# KiCad board lpddr5-sodimm.kicad_pcb (continued)
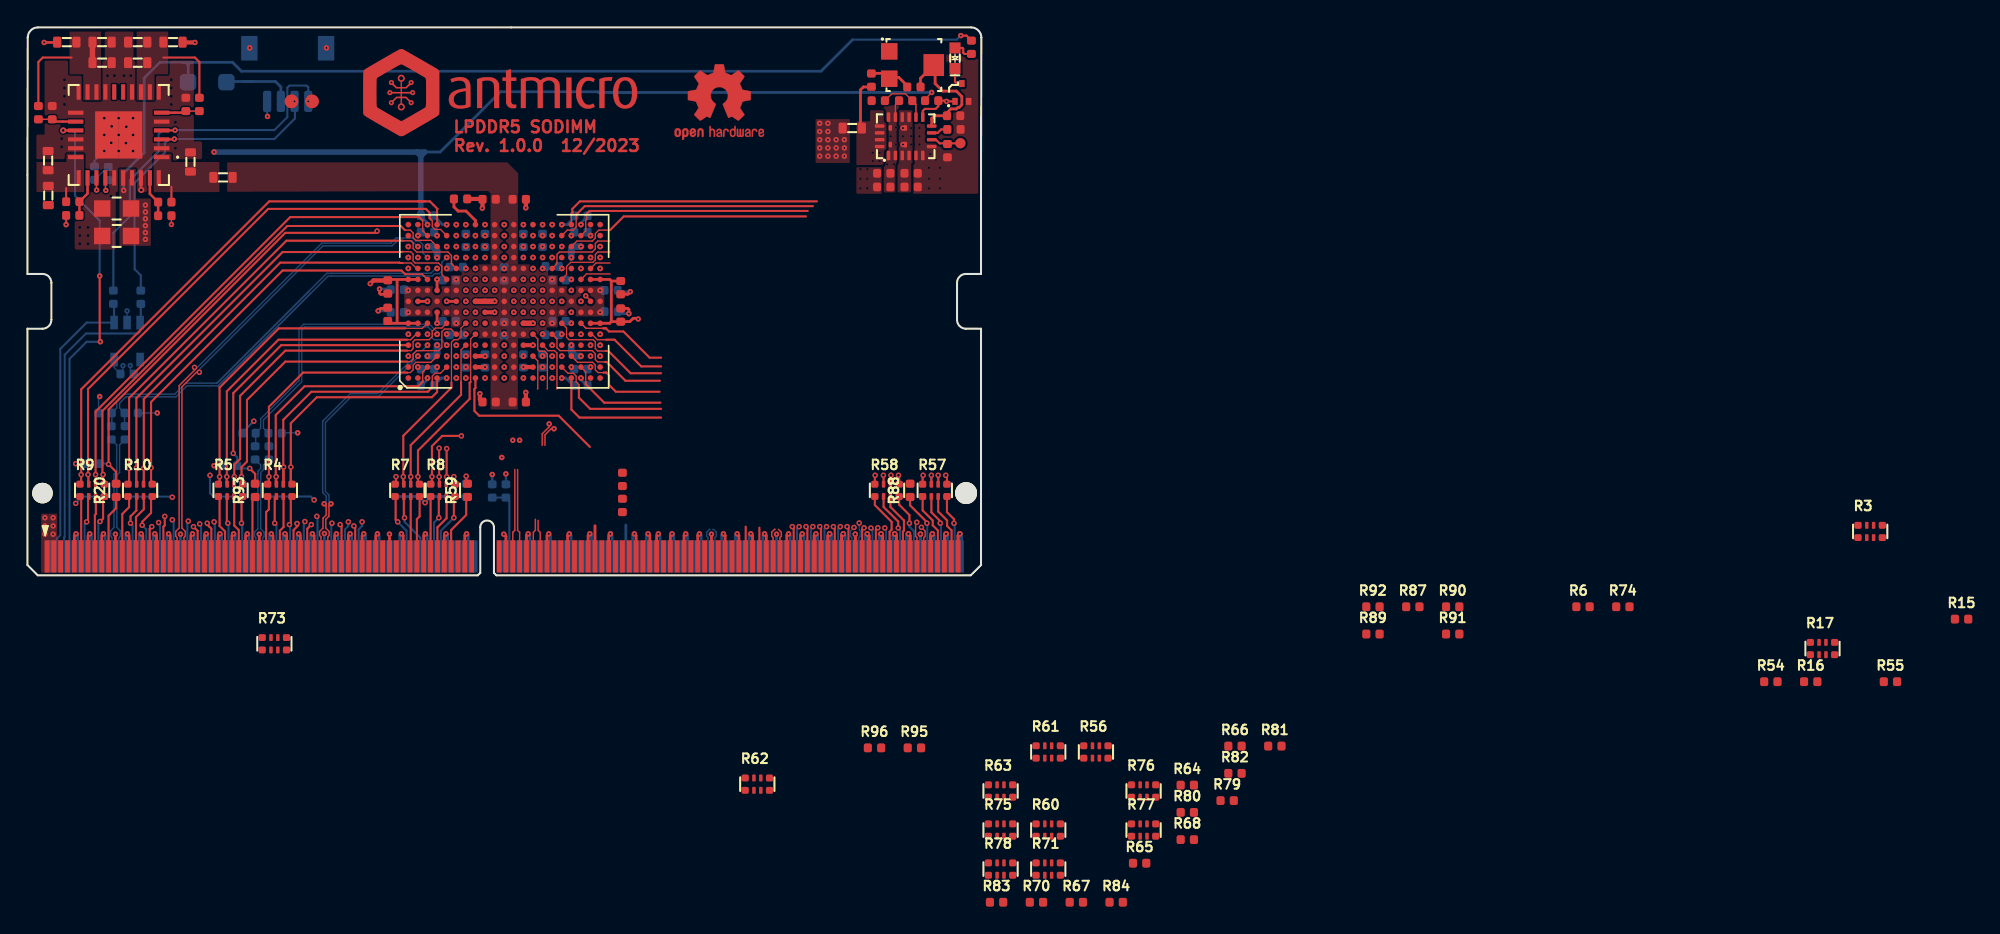
[diagram p0: board, top side]
## Routing (per net, layer and track width the routed paths; a pad name or vN(x,y) marks a point on that pad's centre or on a via; arc(x,y) is an arc through that point) (continued)
/LPDDR5/LPDDR5_A.CA0: length 12.4
  Top w0.09: 31.62,14.1 31.65,14.12 31.65,16.45 U1.G4
  Top w0.15: 31.65,14.12 31.65,13.17 27.98,9.5 v3(27.98,7.2) R7.6 ; 27.95,6.67 27.97,6.65
  Bottom w0.15: 27.98,6.65 v3(27.98,7.2)
/LPDDR5/LPDDR5_A.CA1: length 13.3
  Top w0.09: 32.7,17.55 U1.H5 32.35,17.25 32.35,14.12 32.33,14.1
  Top w0.15: 32.35,14.12 32.28,14.05 32.28,12.88 28.5,9.11 v3(28.5,7.2) 28.5,6.65
  Bottom w0.15: 28.5,6.65 v3(28.5,7.2)
/LPDDR5/LPDDR5_A.CA2: length 16.1
  Top w0.15: 29.52,6.65 29.53,6.65 v3(29.53,7.2) 29.53,9.42 30.28,10.17 v3(31.68,10.17)
  In3.Cu w0.09: v1(32,20) 31.68,19.67 31.68,13.8
  In3.Cu w0.15: 31.68,14.17 v3(31.68,10.17)
  Bottom w0.15: 29.53,6.65 v3(29.53,7.2)
/LPDDR5/LPDDR5_A.CA3: length 18.2
  Top w0.15: 30.06,6.65 v3(30.06,7.2) 30.05,7.2 v3(30.05,9.28) ; 30.03,6.68 30.05,6.65
  In3.Cu w0.09: 30.25,12.57 30.28,12.55 ; v1(32.7,22.4) 32.35,22.05 31.08,22.05 30.28,21.25 30.28,18.45 30.25,18.43 30.25,14.19
  In3.Cu w0.15: 30.25,14.19 30.25,9.48 v3(30.05,9.28)
  Bottom w0.15: 30.06,6.65 v3(30.06,7.2)
/LPDDR5/LPDDR5_A.CA4: length 16.1
  Top w0.15: v3(30.6,9.25) 30.6,9.25 v3(30.6,7.2) 30.6,6.65 ; 30.58,6.67 30.59,6.65
  In3.Cu w0.09: 30.98,14.19 30.98,20.58 v1(32,21.6)
  In3.Cu w0.15: v3(30.6,9.25) 30.98,9.63 30.98,14.19 30.97,14.19
  Bottom w0.15: 30.6,6.65 v3(30.6,7.2)
/LPDDR5/LPDDR5_A.CA5: length 21.3
  Top w0.15: 31.13,6.65 v3(31.13,7.2) 31.15,7.22
  In3.Cu w0.09: v1(32.7,24) 32.36,23.66 32.36,23.03 32.12,22.8 29.81,22.8 29.53,22.51 29.53,16.96 29.58,16.91 29.58,14.2
  In3.Cu w0.15: 29.58,14.2 29.58,9.1 31.13,7.55 v3(31.13,7.2)
  Bottom w0.15: 31.13,6.65 v3(31.13,7.2)
/LPDDR5/LPDDR5_A.CA6: length 25.1
  Top w0.15: R86.1 v3(32.03,7.23) 32,7.26
  In3.Cu w0.09: v1(32,23.2) 31.66,23.55 29.05,23.55 28.86,23.35 28.86,14.18
  In3.Cu w0.15: 28.86,14.18 28.95,14.08 28.95,8.38 ; 28.95,8.38 28.95,6.95 29.43,6.47 31.75,6.47 32.03,6.75 v3(32.03,7.23) ; 28.95,8.38 28.95,8.62
  Bottom w0.15: R86.1 v3(32.03,7.23)
/LPDDR5/LPDDR5_A.CK_N: length 12.5
  In3.Cu w0.1: v1(35.93,9.86) 35.78,10.01 35.78,11.49 32.97,14.29 32.97,16.16 33.38,16.56 33.38,20.09 33.15,20.32 33.15,20.55 v1(33.4,20.8)
/LPDDR5/LPDDR5_A.CK_P: length 12.5
  In3.Cu w0.1: v1(32.7,20.8) 32.95,20.55 32.95,20.23 33.18,20.01 33.18,16.64 32.78,16.24 32.78,14.21 35.58,11.41 35.58,10.01 v1(35.43,9.86)
/LPDDR5/LPDDR5_A.CS0: length 20.8
  Top w0.15: v3(26.9,7.2) 26.9,6.65 26.9,6.65
  In3.Cu w0.09: 32.32,14.18 32.32,18.82 v1(32.7,19.2)
  In3.Cu w0.15: 32.32,14.18 32.33,14.17 32.33,13.2 32.68,12.85 32.68,6.4 32.33,6.05 27.65,6.05 26.9,6.8 v3(26.9,7.2)
  Bottom w0.15: 26.9,6.65 v3(26.9,7.2)
/LPDDR5/LPDDR5_A.CS1: length 14.4
  Top w0.09: U1.G6 31.65,18.05 31.65,17.42 31.43,17.2 31.14,17.2 30.95,17.01 30.95,14.08
  Top w0.15: 27.43,6.65 v3(27.43,7.2) 27.43,10.18 30.95,13.7 30.95,14.08 ; 27.4,6.68 27.43,6.65
  Bottom w0.15: 27.43,6.65 v3(27.43,7.2)
/LPDDR5/LPDDR5_A.DMI0: length 34.4
  Top w0.15: U1.A4 18.53,16.8 15.03,13.3 v3(15.03,8.9) ; R93.2 16.62,7.4 v3(16.23,7.8)
  In3.Cu w0.15: v3(16.23,7.8) 16.23,6.4 16.73,5.9 22.23,5.9 22.62,5.5 22.62,4.2 v3(22.23,3.8)
  Bottom w0.15: v3(16.23,7.8) 15.51,7.8 R94.1 15.31,8.61 v3(15.03,8.9) ; v3(22.23,3.8) 22.18,3.75 J1.84
/LPDDR5/LPDDR5_A.DMI1: length 45.2
  Top w0.15: v3(25.53,25.13) 25.4,25 18.83,25 5.93,12.1 v3(5.93,8.1) 6.48,7.55 R20.2
  In3.Cu w0.15: v3(5.93,8.1) 5.93,6.9 6.6,6.22 9.4,6.22 11.68,3.95 v3(11.74,3.95) ; v1(27.8,23.2) 27.45,23.2 v3(25.53,25.13)
  Bottom w0.15: J1.42 11.68,3.88 v3(11.74,3.95) ; R85.1 5.88,8.15 v3(5.93,8.1)
/LPDDR5/LPDDR5_A.DQ0: length 30.7
  Top w0.15: v3(19.23,7.9) 19.23,6.65 ; 19.23,6.65 19.23,11.1 21.12,13 29.53,13 29.9,13.38 U1.D1
  In3.Cu w0.15: v3(19.23,7.9) 19.23,7.6 19.43,7.4 23.43,7.4 24.43,6.4 v3(24.43,3.9)
  Bottom w0.15: J1.92 24.18,3.35 24.43,3.6 v3(24.43,3.9) ; 19.23,6.65 v3(19.23,7.9)
/LPDDR5/LPDDR5_A.DQ1: length 30.3
  Top w0.09: 28.85,14.85 U1.C2 28.85,14.85 ; 28.85,14.85 28.85,14.2
  Top w0.15: 18.15,6.65 18.12,6.68 18.12,11.7 20.23,13.8 28.53,13.8 28.85,14.12 28.85,14.2 ; v3(18.16,7.2) 18.16,6.65
  In3.Cu w0.15: v3(18.16,7.2) 18.16,6.87 18.43,6.6 22.93,6.6 23.43,6.1 v3(23.43,3.9)
  Bottom w0.15: 18.16,6.65 v3(18.16,7.2) ; v3(23.43,3.9) 23.43,3.6 23.18,3.35 J1.88
/LPDDR5/LPDDR5_A.DQ2: length 32.4
  Top w0.09: 29.55,14.15 29.55,14.54 29.76,14.75 30.15,14.75 30.6,15.2
  Top w0.15: v3(23.83,3.6) 23.93,3.5 J1.91 ; v3(18.7,7.9) 18.7,6.65 ; 29.55,14.15 29.55,13.72 29.22,13.4 20.73,13.4 18.68,11.35 18.68,6.67 18.7,6.65
  In3.Cu w0.15: v3(23.83,3.6) 23.93,3.7 23.93,6.2 23.12,7 18.93,7 18.7,7.23 v3(18.7,7.9)
  Bottom w0.15: 18.7,6.65 v3(18.7,7.9)
/LPDDR5/LPDDR5_A.DQ3: length 31.4
  Top w0.09: U1.D3 29.45,15.55 28.36,15.55 28.15,15.34 28.15,15 27.95,14.8 27.73,14.8
  Top w0.15: v3(22.83,3.7) 22.93,3.6 J1.87 ; v3(17.62,7.2) 17.62,6.65 ; 17.62,6.65 17.62,6.65 ; 17.62,6.65 17.62,12.3 20.12,14.8 27.73,14.8
  In3.Cu w0.15: v3(22.83,3.7) 22.93,3.8 22.93,5.7 22.43,6.2 18.12,6.2 17.62,6.7 v3(17.62,7.2)
  Bottom w0.15: 17.62,6.65 v3(17.62,7.2)
/LPDDR5/LPDDR5_A.DQ4: length 34.7
  Top w0.09: U1.B5 28.38,17.6 27.98,17.2 26.83,17.2
  Top w0.15: 27.73,17.2 18.33,17.2 14.56,13.43 14.56,6.65 ; v3(14.56,7.2) 14.56,6.65
  In3.Cu w0.15: v3(20.25,3.92) 20.25,4.07 19.62,4.7 16.23,4.7 14.56,6.37 v3(14.56,7.2)
  Bottom w0.15: J1.76 20.18,3.85 v3(20.25,3.92) ; 14.56,6.65 v3(14.56,7.2)
/LPDDR5/LPDDR5_A.DQ5: length 35
  Top w0.09: 27.58,18.03 28.83,18.03 U1.C6
  Top w0.15: 27.58,18.03 18.35,18.03 14.03,13.7 v3(14.03,7.2) 14.03,6.65 ; J1.73 19.43,3.3 19.73,3.6 19.73,3.73 v3(19.68,3.78)
  In3.Cu w0.15: v3(19.68,3.78) 19.62,3.83 19.62,4.1 19.43,4.3 16.03,4.3 14.03,6.3 v3(14.03,7.2)
  Bottom w0.15: 14.03,6.65 v3(14.03,7.2)
/LPDDR5/LPDDR5_A.DQ6: length 35.8
  Top w0.09: 27.73,16.4 28,16.4 28.15,16.55 28.15,17.05 28.3,17.2 29.33,17.2 29.55,17.42 29.55,17.83 29.78,18.05 30.25,18.05 30.6,18.4
  Top w0.15: v3(15.1,7.2) 15.1,6.65 ; 27.73,16.4 18.83,16.4 15.53,13.1 15.53,8.5 15.1,8.07 15.1,6.65 ; v3(20.73,3.7) 20.43,3.4 J1.77
  In3.Cu w0.15: v3(15.1,7.2) 15.1,6.43 16.43,5.1 19.93,5.1 20.62,4.4 20.62,3.8 v3(20.73,3.7)
  Bottom w0.15: 15.1,6.65 v3(15.1,7.2)
/LPDDR5/LPDDR5_A.DQ7: length 35.6
  Top w0.09: 27.73,15.6 28,15.6 28.15,15.75 28.15,16.14 28.41,16.4 30.03,16.4 30.25,16.62 30.25,17.78 30.45,17.98 30.92,17.98 U1.F5
  Top w0.15: 15.63,6.65 v3(15.63,7.2) 15.63,7.9 16.03,8.3 16.03,12.8 18.83,15.6 27.33,15.6 ; 27.73,15.6 27.35,15.6
  In3.Cu w0.15: v3(21.12,4.3) 21.12,4.6 20.23,5.5 16.62,5.5 15.63,6.5 v3(15.63,7.2)
  Bottom w0.15: J1.80 21.18,4.25 v3(21.12,4.3) ; 15.63,6.65 v3(15.63,7.2)
/LPDDR5/LPDDR5_A.DQ8: length 51.6
  Top w0.15: 28.53,27.3 17.65,27.3 3.93,13.58 v3(3.93,7.35) 3.92,7.35 3.92,6.65 ; 28.53,27.3 29.38,27.3 29.93,26.75 29.9,26.72 U1.D15 ; 28.53,27.3 29.05,27.3 ; J1.31 8.93,3.4 v3(9.08,3.55)
  In3.Cu w0.15: v3(3.93,7.35) 3.93,5 4.25,4.67 7.95,4.67 v3(9.08,3.55)
  Bottom w0.15: v3(3.93,7.35) 3.92,7.35 3.92,6.65
/LPDDR5/LPDDR5_A.DQ9: length 47.3
  Top w0.09: 28.85,25.9 28.85,25.15 U1.C14
  Top w0.15: J1.35 9.93,3.55 10.03,3.65 v3(10.03,4.3) ; 28.85,25.9 28.6,26.15 19.18,26.15 4.98,11.94 v3(4.98,7.35) 5,7.33 5,6.65
  In3.Cu w0.15: 9.98,4.4 8.93,5.45 5.18,5.45 4.98,5.65 v3(4.98,7.35)
  Bottom w0.15: v3(4.98,7.35) 5,7.33 5,6.65
/LPDDR5/LPDDR5_A.DQ10: length 51.1
  Top w0.09: 30.6,24.8 30.15,25.25 29.76,25.25 29.55,25.46 29.55,25.88 29.45,25.97 ; 29.35,26.22 29.35,26.08
  Top w0.15: 29.35,26.33 29.35,26.08 29.45,25.97 ; 29.35,26.33 29.35,26.47 29.08,26.75 17.58,26.75 4.43,13.6 v3(4.43,7.35) 4.45,7.32 4.45,6.65 ; 29.35,26.33 29.35,26.22
  In3.Cu w0.15: v3(4.43,7.35) 4.43,5.4 4.78,5.05 8.38,5.05 v3(9.58,3.85)
  Bottom w0.15: J1.34 9.68,3.75 v3(9.58,3.85) ; 4.45,6.65 4.45,7.32 v3(4.43,7.35)
/LPDDR5/LPDDR5_A.DQ11: length 47.2
  Top w0.09: 27.55,25.2 27.95,25.2 28.15,25 28.15,24.66 28.36,24.45 29.45,24.45 U1.D13
  Top w0.15: 27.55,25.2 27.25,25.5 18.97,25.5 5.48,12 5.48,7.4 v3(5.53,7.35) 5.53,6.65
  In3.Cu w0.15: v3(10.58,4.05) 10.58,4.65 10.53,4.65 9.33,5.85 5.73,5.85 5.53,6.05 v3(5.53,7.35)
  Bottom w0.15: 5.53,6.65 v3(5.53,7.35) ; J1.38 10.68,3.95 v3(10.58,4.05)
/LPDDR5/LPDDR5_A.DQ12: length 41.8
  Top w0.09: 27.38,22.8 28,22.8 28.4,22.4 U1.B11
  Top w0.15: 27.38,22.8 27.18,22.8 27.15,22.83 18.45,22.83 8.5,12.87 v3(8.5,7.82) 8.5,6.65 ; J1.49 13.43,3.4 13.12,3.7 v3(13.12,3.8)
  In3.Cu w0.15: v3(13.12,3.8) 13.12,5.6 11.38,7.35 8.68,7.35 8.5,7.53 v3(8.5,7.82)
  Bottom w0.15: 8.5,6.65 v3(8.5,7.82)
/LPDDR5/LPDDR5_A.DQ13: length 43.3
  Top w0.09: 28.83,21.97 27.58,21.97 28.83,21.97 ; 28.83,21.97 U1.C10 28.83,21.97
  Top w0.15: 27.58,21.97 27.3,22.25 18.62,22.25 9.03,12.65 v3(9.03,7.85) 9.03,6.65
  In3.Cu w0.15: v3(9.03,7.85) 9.18,7.7 11.68,7.7 13.62,5.75 v3(13.62,3.9)
  Bottom w0.15: v3(13.62,3.9) 13.68,3.85 J1.50 ; 9.03,6.65 v3(9.03,7.85)
/LPDDR5/LPDDR5_A.DQ14: length 46.2
  Top w0.09: 27.38,23.62 27.98,23.62 28.15,23.45 28.15,22.95 28.3,22.8 30,22.8 30.25,22.55 30.25,21.95 30.6,21.6
  Top w0.15: 7.95,6.65 v3(7.95,7.83) 7.95,12.93 18.62,23.6 27.35,23.6 27.38,23.62
  In3.Cu w0.15: v3(12.58,3.75) 12.68,3.85 12.68,5.4 11.08,7 8.18,7 7.95,7.22 v3(7.95,7.83)
  Bottom w0.15: J1.46 12.68,3.65 v3(12.58,3.75) ; 7.95,6.65 v3(7.95,7.83)
/LPDDR5/LPDDR5_A.DQ15: length 48.6
  Top w0.09: 30.95,22.75 U1.F11 30.95,22.75 ; 30.95,22.75 30.95,23.34 ; 30.95,22.75 30.95,23.34 ; 30.95,23.34 30.69,23.6 28.41,23.6 28.15,23.86 28.15,24.25 27.98,24.42 27.43,24.42
  Top w0.15: 27.43,24.42 18.9,24.42 7.42,12.95 v3(7.42,7.8) 7.42,6.65 ; J1.45 12.43,3.24 v3(12.12,3.55)
  In3.Cu w0.15: v3(7.42,7.8) 7.42,7 7.83,6.6 10.38,6.6 12.12,4.86 v3(12.12,3.55)
  Bottom w0.15: 7.42,6.65 v3(7.42,7.8)
/LPDDR5/LPDDR5_A.RDQS0_N: length 20.5
  Top w0.102: v1(21.66,5.22) 21.81,5.07 21.81,4.4 21.57,4.17 21.57,3.44 21.32,3.2 21.32,2.9 21.43,2.8 J1.81
  Bottom w0.1: v1(29.2,16.8) 28.8,16.4 28.4,16.4 28.2,16.2 28.2,16.19 28.15,16.14 28.15,15.86 25.56,13.27 23.57,13.27 21.58,11.28
  Bottom w0.102: 21.58,11.28 21.55,11.25 21.55,6.03 21.81,5.78 21.81,5.37 v1(21.66,5.22)
/LPDDR5/LPDDR5_A.RDQS0_P: length 19
  Top w0.102: v1(22.16,5.22) 22.01,5.07 22.01,4.31 21.78,4.08 21.78,3.44 22.03,3.2 22.03,2.9 21.93,2.8 J1.83
  Bottom w0.1: v1(28.5,16) 28.5,15.92 25.65,13.07 23.67,13.07 21.78,11.17
  Bottom w0.102: 21.78,11.17 21.75,11.15 21.75,6.12 22.01,5.86 22.01,5.37 v1(22.16,5.22)
/LPDDR5/LPDDR5_A.RDQS1_N: length 36.3
  Top w0.102: v3(12.2,15.18) 12.2,14.97 11.07,13.84 11.07,3.45 10.82,3.2 10.82,2.85 10.93,2.75 J1.39
  Bottom w0.1: v1(29.2,23.2) 28.85,23.55 28.85,24.15 28.6,24.4 28.37,24.4 28.14,24.63 27.87,24.63
  Bottom w0.102: 27.87,24.63 26.91,24.63 26.53,24.25 21.48,24.25 12.41,15.18 v3(12.2,15.18)
/LPDDR5/LPDDR5_A.RDQS1_P: length 34.5
  Top w0.102: J1.41 11.43,2.75 11.53,2.85 11.53,3.2 11.28,3.45 11.28,13.76 12.34,14.82 v3(12.55,14.82)
  Bottom w0.1: v1(28.5,24) 28.48,24 28.06,24.42 27.87,24.42
  Bottom w0.102: 27.87,24.42 26.99,24.42 26.62,24.05 21.57,24.05 12.55,15.03 v3(12.55,14.82)
/LPDDR5/LPDDR5_A.WCK0_N: length 20.5
  Bottom w0.1: R11.2 16.66,9.45 R25.1 17.03,10.74 17.03,11.42 19.82,14.22 19.82,17.99 20.16,18.33 29.34,18.33 29.9,17.78 v1(29.9,17.6)
/LPDDR5/LPDDR5_A.WCK0_P: length 21.3
  Bottom w0.1: R12.2 17.59,9.45 R48.1 17.23,10.74 17.23,11.33 20.02,14.13 20.02,17.91 20.25,18.13 29.24,18.13 29.55,17.83 29.55,17.33 29.68,17.2 30.2,17.2 v1(30.6,16.8)
/LPDDR5/LPDDR5_A.WCK1_N: length 38.9
  Bottom w0.09: v1(29.9,22.4) 29.83,22.4
  Bottom w0.1: v1(29.9,22.4) 29.8,22.4 29.45,22.05 21.86,22.05 13.83,14.03 ; 13.83,14.03 20.55,20.75 ; 13.83,14.03 11.56,14.03 10.76,13.22 7.11,13.22 6.53,12.64 6.53,12.22 R49.1 6.16,10.92 R13.2
/LPDDR5/LPDDR5_A.WCK1_P: length 40.1
  Bottom w0.1: v1(30.6,23.2) 30.25,22.85 30.25,22.21 30.06,22.02 29.72,22.02 29.55,21.85 21.94,21.85 13.92,13.83 ; 13.92,13.83 11.64,13.83 10.84,13.03 7.19,13.03 6.73,12.56 6.73,12.22 R53.1 7.09,10.92 R14.2 ; 13.92,13.83 20.7,20.6
/LPDDR5/LPDDR5_B.CA0: length 11
  In3.Cu w0.09: 40.72,13.6 40.72,17.9 39.91,18.72 39.71,18.72 39.38,19.05 39.38,21.42 v1(37.6,23.2)
/LPDDR5/LPDDR5_B.CA1: length 10.7
  In3.Cu w0.09: 40.03,13.6 40.03,17.6 39.38,18.25 39.38,18.75 38.68,19.44 38.68,21.67 38.41,21.94 37.36,21.94 v1(36.9,22.4)
/LPDDR5/LPDDR5_B.CA2: length 6.9
  In3.Cu w0.09: 38.62,13.6 38.68,13.66 38.68,17.44 37.98,18.14 37.98,19.38 37.6,19.76 v1(37.6,20)
/LPDDR5/LPDDR5_B.CA3: length 4.7
  Top w0.09: U1.P5 37.25,17.25 37.25,16.47 37.38,16.35 37.74,16.35 37.95,16.14 37.95,13.62 37.93,13.6
/LPDDR5/LPDDR5_B.CA4: length 4.9
  In3.Cu w0.09: 37.93,13.6 37.93,17.9 37.6,18.22 v1(37.6,18.4)
/LPDDR5/LPDDR5_B.CA5: length 2.6
  Top w0.09: 37.22,13.6 37.25,13.62 37.25,15.65 U1.P3
/LPDDR5/LPDDR5_B.CA6: length 3.9
  Top w0.09: 38.62,13.6 38.65,13.62 38.65,16.22 38.47,16.4 38,16.4 U1.R4
/LPDDR5/LPDDR5_B.CK_N: length 11.9
  Top w0.1: 37.78,9.48 37.78,10.25 38.22,10.7 v1(38.43,10.7)
  In3.Cu w0.1: v1(36.2,19.2) 36.45,18.95 36.45,18.73 36.28,18.56 36.28,16.55 36.78,16.05 36.78,11.31 37.47,10.61 38.14,10.61 38.22,10.7 v1(38.43,10.7)
/LPDDR5/LPDDR5_B.CK_P: length 11.5
  Top w0.1: v1(38.08,11.05) 38.08,10.84 37.58,10.33 37.58,9.48
  In3.Cu w0.1: v1(38.08,11.05) 38.08,10.84 38.05,10.81 37.56,10.81 36.97,11.39 36.97,16.13 36.47,16.63 36.47,18.47 36.65,18.65 36.65,18.95 v1(36.9,19.2)
/LPDDR5/LPDDR5_B.CS0: length 7.4
  In3.Cu w0.09: 37.22,13.6 37.28,13.66 37.28,20.42 v1(36.9,20.8)
  vias: v1(44.5,20.3)
/LPDDR5/LPDDR5_B.CS1: length 8.7
  In3.Cu w0.09: v3(37.6,21.6) 37.94,21.25 37.94,19.78 38.62,19.11 38.62,18.5 39.33,17.8 39.33,13.6
/LPDDR5/LPDDR5_B.DMI0:
  vias: v1(41.8,23.2)
/LPDDR5/LPDDR5_B.DMI1: length 2.2
  Top w0.15: J1.229 59.93,3.45 v3(59.82,3.55)
  vias: v1(41.8,16.8)
/LPDDR5/LPDDR5_B.DQ0: length 30.3
  Top w0.09: U1.V15 39.7,26.38
  Top w0.15: 39.7,26.38 39.78,26.45 39.78,26.75 40.33,27.3 57.62,27.3 ; R57.5 67.11,7.21 v3(67.03,7.3)
  In3.Cu w0.15: v3(62.58,3.45) 63.36,4.24 66.62,4.24 67.03,4.65 v3(67.03,7.3)
  Bottom w0.15: J1.240 62.68,3.35 v3(62.58,3.45) ; R57.5 67.11,7.21 v3(67.03,7.3)
/LPDDR5/LPDDR5_B.DQ1: length 28.7
  Top w0.09: 40.83,26.4 40.83,26 40.75,25.92 40.75,25.15 U1.W14
  Top w0.15: 40.83,26.4 41.03,26.6 56.95,26.6 ; R57.7 v3(65.97,7.3)
  In3.Cu w0.15: v3(65.98,7.3) 65.98,5.2 65.58,4.8 62.83,4.8 61.57,3.54 v3(61.57,3.45)
  Bottom w0.15: R57.7 v3(65.97,7.3) ; J1.236 61.68,3.34 v3(61.57,3.45)
/LPDDR5/LPDDR5_B.DQ2: length 30.6
  Top w0.09: U1.U14 39.4,25.2 39.83,25.2 40.05,25.42 40.05,26.33
  Top w0.15: J1.237 61.93,3.33 v3(62.07,3.47) ; 40.05,26.33 40.68,26.95 57.33,26.95 ; R57.6 v3(66.47,7.3)
  In3.Cu w0.15: v3(66.47,7.3) 66.47,4.9 66.08,4.5 63.09,4.5 62.07,3.48 v3(62.07,3.47)
  Bottom w0.15: R57.6 v3(66.47,7.3)
/LPDDR5/LPDDR5_B.DQ3: length 28.7
  Top w0.09: 42.53,25.2 41.71,25.2 41.45,24.94 41.45,24.62 41.22,24.4 40.1,24.4 U1.V13
  Top w0.15: R57.8 65.34,7.26 v3(65.38,7.3) ; J1.233 60.93,3.33 v3(61.06,3.46) ; 56.83,26.2 43.53,26.2 42.53,25.2
  In3.Cu w0.15: v3(61.06,3.46) 61.06,3.47 62.69,5.1 65.03,5.1 65.38,5.45 v3(65.38,7.3)
  Bottom w0.15: R57.8 65.34,7.26 v3(65.38,7.3)
/LPDDR5/LPDDR5_B.DQ4: length 4.5
  Top w0.09: 42.53,22.8 41.5,22.8 U1.Y11
  Top w0.15: R58.7 62.49,7.29 v3(62.47,7.3)
  Bottom w0.15: J1.222 58.18,3.4 v3(58.33,3.55)
/LPDDR5/LPDDR5_B.DQ5: length 5.2
  Top w0.09: U1.W10 40.8,22 42.53,22
  Top w0.15: J1.221 57.93,3.45 v3(57.83,3.55) ; 61.85,6.65 61.85,7.28 v3(61.88,7.3)
/LPDDR5/LPDDR5_B.DQ6: length 7.8
  Top w0.09: 42.53,23.6 41.62,23.6 41.45,23.42 41.45,23.03 41.27,22.85 39.65,22.85 39.35,22.54 39.35,21.95 U1.U10
  Top w0.15: J1.225 58.93,3.45 v3(58.83,3.55) ; v3(63.03,7.3) 62.99,7.26 R58.6
/LPDDR5/LPDDR5_B.DQ7: length 8.6
  Top w0.09: 42.53,24.4 41.62,24.4 41.45,24.22 41.45,23.83 41.22,23.6 38.83,23.6 38.65,23.42 38.65,22.75 U1.T11
  Top w0.15: v3(63.58,7.3) 63.62,7.25 R58.5
  Bottom w0.15: v3(59.33,3.55) 59.18,3.4 J1.226
/LPDDR5/LPDDR5_B.DQ8: length 9.1
  Top w0.15: 46.25,11.51 40.29,11.51 39.7,12.1 U1.V1
/LPDDR5/LPDDR5_B.DQ9: length 7.4
  Top w0.09: U1.W2 40.75,14.85 40.75,14.1
  Top w0.15: 40.75,14.1 40.75,13.95 42.1,12.6 46.2,12.6
/LPDDR5/LPDDR5_B.DQ10: length 9.3
  Top w0.09: 40.25,13.78 40.25,13.92 40.05,14.12 40.05,14.54 39.84,14.75 39.45,14.75 U1.U2
  Top w0.15: 46.25,12.15 41.08,12.15 40.25,12.97 40.25,13.78
/LPDDR5/LPDDR5_B.DQ11: length 8.1
  Top w0.09: 42.05,14.8 41.65,14.8 41.45,15 41.45,15.34 41.24,15.55 40.15,15.55 U1.V3
  Top w0.15: 46.14,13.4 42.95,13.4 42.45,13.9 42.45,14.6 42.25,14.8 42.05,14.8
/LPDDR5/LPDDR5_B.DQ12: length 6.1
  Top w0.09: U1.Y5 41.2,17.6 41.6,17.2 42.22,17.2
  Top w0.15: 46.25,15.25 44.8,15.25 42.85,17.2 42.22,17.2
/LPDDR5/LPDDR5_B.DQ13: length 8.9
  Top w0.09: 40.78,18.03 U1.W6 40.78,18.03 ; 40.78,18.03 42.03,18.03 40.78,18.03
  Top w0.15: 46.25,15.89 45.41,15.89 43.5,17.8 42.45,17.8 42.22,18.03 ; 42.22,18.03 42.03,18.03 42.22,18.03
/LPDDR5/LPDDR5_B.DQ14: length 9.5
  Top w0.09: U1.U6 39.35,18.05 39.35,17.38 39.53,17.2 41.3,17.2 41.45,17.05 41.45,16.55 41.62,16.38 42.22,16.38
  Top w0.15: 46.25,14.75 44.03,14.75 42.4,16.38 42.22,16.38
/LPDDR5/LPDDR5_B.DQ15: length 10.4
  Top w0.09: 38.65,17.25 U1.T5 38.65,17.25 ; 38.65,17.25 38.65,16.62 38.87,16.4 41.22,16.4 41.45,16.17 41.45,15.75 41.62,15.58 42.18,15.58
  Top w0.15: 42.18,15.58 42.28,15.58 43.65,14.2 46.16,14.2
/LPDDR5/LPDDR5_B.RDQS0_N: length 2.6
  Top w0.1: J1.249 64.93,2.75 64.83,2.85 64.83,3.78 v3(64.91,3.87)
/LPDDR5/LPDDR5_B.RDQS0_P: length 2.3
  Top w0.1: v3(65.25,3.5) 65.53,3.23 65.53,2.86 65.43,2.76 J1.251
/LPDDR5/LPDDR5_B.RDQS1_N: length 2.1
  Top w0.102: 54.57,3.35 54.53,3.35 54.32,3.15 54.32,2.85 54.43,2.75 J1.207
/LPDDR5/LPDDR5_B.RDQS1_P: length 2.1
  Top w0.102: J1.209 54.93,2.75 55.03,2.85 55.03,3.15 54.82,3.35
  vias: v1(41.1,16)
/LPDDR5/~{RESET}: length 11.9
  Top w0.15: U1.H1 32.7,13.67 32.62,13.6 32.62,12 32.97,11.65 38.78,11.65 41.05,9.38
/Power supply/ADD: length 1.7
  Top w0.09: U8.26 5.69,28.13 v1(5.73,28.1)
  Bottom w0.09: v1(5.73,28.1) 5.73,28.67 R30.2
/Power supply/DCDC_VCC: length 3.1
  Top w0.09: v1(5.05,28.12) 5.04,28.14 U8.25
  Bottom w0.09: R30.1 5.84,29.81 C12.2 5.05,28.72 v1(5.05,28.12)
/Power supply/FB1: length 2.9
  Top w0.1: 0.71,33.29 R34.1
  Top w0.182: R34.1 1.98,33.12 3.53,33.12
/Power supply/FB2: length 2.8
  Top w0.1: R35.1 R36.1
  Top w0.182: 9.8,33.78 11.45,33.78 R36.1
/Power supply/FB3: length 3
  Top w0.182: R38.1 R37.1 8.94,27.85 U8.31
/Power supply/FB4: length 3
  Top w0.182: R40.1 R39.1 4.39,27.86 4.39,29.01
/Power supply/I2C.SCL: length 28.5
  Top w0.15: U8.4 10.75,32.47 v1(10.78,32.5) ; v1(20.5,34.6) 20.5,34.6 20.5,34.55
  Bottom w0.15: v1(20.5,34.6) 20.5,35.63 20.38,35.75 19.12,35.75 18.98,35.6 18.98,33.45 18.03,32.5 v1(10.78,32.5) 9.88,32.5 9.58,32.2 9.58,30.95 7.48,28.85 7.48,26.2 6.28,25 R26.2
/Power supply/I2C.SDA: length 24.8
  Top w0.15: v1(10.73,31.85) 10.7,31.82 U8.3 ; 19,34.55 19.45,34.55 v1(19.5,34.6)
  Bottom w0.15: v1(19.5,34.6) 19.53,34.57 19.53,33.35 18.03,31.85 v1(10.73,31.85) 10.33,31.85 10.03,31.55 10.03,30.85 7.83,28.65 7.83,22.35 8.28,21.9 R27.2
/Power supply/PWR_EN: length 35.1
  Top w0.15: v1(5.33,17.05) 5.28,17.1 v1(5.28,21.85)
  Top w0.182: 3.53,32.47 v2(2.61,32.47)
  Bottom w0.15: J1.8 3.08,1.47 3.08,15.8 4.33,17.05 v1(5.33,17.05) ; v1(5.28,21.85) 5.28,25.9 3.48,27.7 3.48,32.3 3.3,32.47 v2(2.61,32.47)
/Power supply/PWRGD: length 3.6
  Top w0.1: 66.49,34.92 R41.1
  Top w0.152: Q2.1 v1(67.09,34.6) 67.04,34.65 R41.1 66.49,34.25 66.28,34.05 65.5,34.05 65.35,33.9 U9.11
/Power supply/VOUT: length 3.7
  Top w0.2: 60.89,32.64 60.8,32.72 60.8,35.44 61.02,35.65 61.6,35.65
  vias: v1(61.7,30.85) v1(61.7,30.25) v1(62.2,30.85) v1(62.2,30.25) v1(63.9,32.65) v1(63.9,32.05) v1(63.9,31.45) v1(64.5,32.65) v1(64.5,32.05) v1(64.5,31.45)
/Power supply/VOUT1: length 7.3
  Top w0.15: 3.23,37.8 1.12,37.8 0.8,37.48 R33.2
  Top w0.4: C14.2 C16.2
/Power supply/VOUT2: length 5.4
  Top w0.15: 9.93,37.8 12.23,37.8 12.55,37.48 R35.2
/Power supply/VOUT3: length 1.1
  Top w0.15: R37.2 10.51,28.36
/Power supply/VOUT4: length 1
  Top w0.15: R39.2 2.83,28.25 2.83,28.25
/SODIMM/HSCL: length 21.3
  Bottom w0.15: J1.4 2.18,2.7 2.4,2.92 2.4,16.53 4.33,18.45 U7.1 6.32,19.77 R26.1
/SODIMM/HSDA: length 23
  Bottom w0.15: R27.1 8.28,18.5 U7.3 8.22,17.8 8.08,17.65 4.28,17.65 2.73,16.1 2.73,2.8 2.68,2.75 J1.6
/SODIMM/LPDDR5_IN_A.CA0: length 4.4
  Top w0.15: J1.107 27.98,1.42 R7.3
/SODIMM/LPDDR5_IN_A.CA1: length 4.5
  Top w0.15: R7.4 28.62,5.74 28.62,4.3 28.43,4.1 J1.109
/SODIMM/LPDDR5_IN_A.CA2: length 4.4
  Top w0.15: J1.113 29.43,5.65 29.52,5.75
/SODIMM/LPDDR5_IN_A.CA3: length 4.5
  Top w0.15: v3(30.03,4.2) 30.03,5.72 30.05,5.75
  Bottom w0.15: v3(30.03,4.2) 29.68,3.85 J1.114
/SODIMM/LPDDR5_IN_A.CA4: length 4.7
  Top w0.15: 30.59,5.75 30.59,4.17 29.93,3.5 J1.115
/SODIMM/LPDDR5_IN_A.CA5: length 4.8
  Top w0.15: v3(31.12,4.2) 31.12,5.75
  Bottom w0.15: v3(31.12,4.2) 30.18,3.25 J1.116
/SODIMM/LPDDR5_IN_A.CA6: length 4.8
  Top w0.15: J1.119 30.93,3.3 32.03,4.4 32.03,5.72
/SODIMM/LPDDR5_IN_A.CK_N: length 6.4
  Top w0.102: 35.78,7.72 35.78,3.29 35.93,3.14 J1.133
/SODIMM/LPDDR5_IN_A.CK_P: length 6.4
  Top w0.102: J1.131 35.43,3.14 35.57,3.29 35.57,7.72
/SODIMM/LPDDR5_IN_A.CS0: length 4.7
  Top w0.15: v3(27.03,3.9) 26.88,4.05 26.88,5.71 R7.1
  Bottom w0.15: v3(27.03,3.9) 27.68,3.25 J1.106
/SODIMM/LPDDR5_IN_A.CS1: length 4.9
  Top w0.15: R7.2 27.48,4.25 v3(27.53,4.2)
  Bottom w0.15: v3(27.53,4.2) 27.53,3.9 28.68,2.75 J1.110
/SODIMM/LPDDR5_IN_A.DMI0: length 4.4
  Top w0.15: R93.1 16.43,5.52 J1.61
/SODIMM/LPDDR5_IN_A.DMI1: length 4.6
  Top w0.15: J1.19 5.93,4.35 6.48,4.9 R20.1
/SODIMM/LPDDR5_IN_A.DQ0: length 4.4
  Top w0.15: v3(19.12,3.7) 19.23,3.8 19.23,5.75
  Bottom w0.15: v3(19.12,3.7) 19.18,3.65 J1.72
/SODIMM/LPDDR5_IN_A.DQ1: length 4.5
  Top w0.15: v3(18.05,3.8) 18.05,5.65 18.15,5.75
  Bottom w0.15: J1.68 18.18,3.68 v3(18.05,3.8)
/SODIMM/LPDDR5_IN_A.DQ2: length 4.5
  Top w0.15: J1.69 18.43,3.25 18.7,3.52 18.7,5.75
/SODIMM/LPDDR5_IN_A.DQ3: length 4.5
  Top w0.15: J1.65 17.43,4.61 17.62,4.81 17.62,5.75
/SODIMM/LPDDR5_IN_A.DQ4: length 4.4
  Top w0.15: v3(14.62,3.8) 14.56,3.87 14.56,5.75
  Bottom w0.15: v3(14.62,3.8) 14.68,3.75 J1.54
/SODIMM/LPDDR5_IN_A.DQ5: length 4.5
  Top w0.15: J1.53 14.43,3.2 14.03,3.6 14.03,5.75
/SODIMM/LPDDR5_IN_A.DQ6: length 4.5
  Top w0.15: J1.57 15.43,3.3 15.1,3.63 15.1,5.75
/SODIMM/LPDDR5_IN_A.DQ7: length 4.4
  Top w0.15: 15.63,5.75 15.63,3.8 v3(15.62,3.8)
  Bottom w0.15: J1.58 15.68,3.75 v3(15.62,3.8)
/SODIMM/LPDDR5_IN_A.DQ8: length 4.4
  Top w0.15: J1.11 3.93,5.75 3.92,5.75
/SODIMM/LPDDR5_IN_A.DQ9: length 4.4
  Top w0.15: 5,5.75 5,4.47 4.93,4.4 J1.15
/SODIMM/LPDDR5_IN_A.DQ10: length 4.5
  Top w0.15: v3(4.33,3.9) 4.43,4 4.43,5.72 4.45,5.75
  Bottom w0.15: v3(4.33,3.9) 4.18,3.75 J1.12
/SODIMM/LPDDR5_IN_A.DQ11: length 4.5
  Top w0.15: v3(5.3,3.92) 5.53,4.15 5.53,5.75
  Bottom w0.15: J1.16 5.18,3.8 v3(5.3,3.92)
/SODIMM/LPDDR5_IN_A.DQ12: length 4.6
  Top w0.15: J1.27 7.93,4.25 8.5,4.82 8.5,5.75
/SODIMM/LPDDR5_IN_A.DQ13: length 4.8
  Top w0.15: v3(8.38,3.65) 8.38,3.9 9.03,4.55 9.03,5.75
  Bottom w0.15: v3(8.38,3.65) 8.68,3.35 J1.30
/SODIMM/LPDDR5_IN_A.DQ14: length 4.6
  Top w0.15: 7.95,5.75 7.95,4.73 7.53,4.3 v3(7.53,3.8)
  Bottom w0.15: v3(7.53,3.8) 7.68,3.65 J1.26
/SODIMM/LPDDR5_IN_A.DQ15: length 4.6
  Top w0.15: 7.42,5.75 7.42,4.97 6.93,4.48 J1.23
/SODIMM/LPDDR5_IN_A.WCK0_N: length 7.5
  Bottom w0.102: J1.62 16.68,2.75 16.57,2.85 16.57,3.15 16.82,3.39 16.82,7.43 16.83,7.43 16.83,7.59 17.02,7.79 17.02,8.05 R11.1
/SODIMM/LPDDR5_IN_A.WCK0_P: length 7.5
  Bottom w0.102: J1.64 17.18,2.75 17.28,2.85 17.28,3.15 17.03,3.39 17.03,7.34 17.03,7.35 17.03,7.51 17.23,7.71 17.23,8.05 R12.1
/SODIMM/LPDDR5_IN_A.WCK1_N: length 8.9
  Bottom w0.102: J1.20 6.18,2.75 6.07,2.85 6.07,3.25 6.32,3.5 6.32,7.39 6.52,7.59 6.52,9.52 R13.1
/SODIMM/LPDDR5_IN_A.WCK1_P: length 8.9
  Bottom w0.102: R14.1 6.73,9.52 6.73,7.51 6.53,7.31 6.53,3.5 6.78,3.25 6.78,2.85 6.68,2.75 J1.22
/SODIMM/LPDDR5_IN_B.CA0: length 2.3
  Bottom w0.2: J1.164 43.68,3.67
/SODIMM/LPDDR5_IN_B.CA2: length 0.1
  Bottom w0.2: J1.158 42.12,1.42
/SODIMM/LPDDR5_IN_B.CA5: length 2.2
  Top w0.2: J1.155 41.43,3.61
/SODIMM/LPDDR5_IN_B.CK_N: length 2.7
  Top w0.102: 37.28,4.01 37.28,3.29 37.43,3.14 J1.139
/SODIMM/LPDDR5_IN_B.CK_P: length 2.8
  Top w0.102: J1.137 36.93,3.14 37.07,3.29 37.07,4.09
/SODIMM/LPDDR5_IN_B.CS0: length 0.1
  Top w0.2: J1.161 42.97,1.42
/SODIMM/LPDDR5_IN_B.DMI1: length 4.9
  Top w0.15: v3(65.65,3.8) 65.65,3.88 64.43,5.1 R88.1
  Bottom w0.15: v3(65.65,3.8) 65.68,3.78 65.68,1.35
/SODIMM/LPDDR5_IN_B.DQ0: length 4.6
  Top w0.15: R57.4 67.11,4.61 67.62,4.1 v3(67.62,3.8)
  Bottom w0.15: v3(67.62,3.8) 67.68,3.75 J1.260
/SODIMM/LPDDR5_IN_B.DQ1: length 4.7
  Top w0.15: R57.2 65.97,4.6 66.62,3.95 v3(66.62,3.8)
  Bottom w0.15: 66.68,1.35 66.68,3.75 v3(66.62,3.8)
/SODIMM/LPDDR5_IN_B.DQ2: length 4.8
  Top w0.15: J1.259 67.45,1.4 67.45,3.28 67.12,3.6 67.12,4 66.47,4.65 R57.3
/SODIMM/LPDDR5_IN_B.DQ3: length 4.8
  Top w0.15: J1.255 66.45,1.4 66.45,3.28 66.08,3.65 66.08,4 65.34,4.74 R57.1
/SODIMM/LPDDR5_IN_B.DQ4: length 4.9
  Top w0.15: R58.2 62.49,4.99 63.56,3.92 v3(63.56,3.45)
  Bottom w0.15: J1.244 63.7,1.4 63.7,3.31 v3(63.56,3.45)
/SODIMM/LPDDR5_IN_B.DQ5: length 4.9
  Top w0.15: J1.241 62.93,3.18 63.08,3.33 63.08,3.9 61.85,5.12 61.85,5.75
/SODIMM/LPDDR5_IN_B.DQ6: length 4.8
  Top w0.15: R58.3 62.99,4.99 63.97,4 63.97,3.27 63.9,3.19 63.9,1.4 J1.245
/SODIMM/LPDDR5_IN_B.DQ7: length 4.8
  Top w0.15: R58.4 63.62,5.15 64.38,4.4 v3(64.38,3.8)
  Bottom w0.15: v3(64.38,3.8) 64.38,3.55 64.7,3.22 64.7,1.4 J1.248
/SODIMM/LPDDR5_IN_B.DQ8: length 2.2
  Top w0.15: J1.199 52.43,3.55
/SODIMM/LPDDR5_IN_B.DQ9: length 2.1
  Top w0.15: J1.203 53.43,3.47
/SODIMM/LPDDR5_IN_B.DQ12: length 2.2
  Top w0.15: v3(56.83,3.55) 56.93,3.45 J1.217
/SODIMM/LPDDR5_IN_B.DQ13: length 2.2
  Bottom w0.15: J1.218 57.18,3.4 v3(57.33,3.55)
/SODIMM/LPDDR5_IN_B.DQ14: length 2.2
  Bottom w0.15: J1.214 56.18,3.4 v3(56.33,3.55)
/SODIMM/LPDDR5_IN_B.DQ15: length 2.2
  Top w0.15: v3(55.83,3.55) 55.93,3.45 J1.213
/SODIMM/LPDDR5_IN_B.WCK0_N: length 2.3
  Bottom w0.1: v3(60.33,3.49) 60.08,3.24 60.08,2.86 60.18,2.76 J1.230
/SODIMM/LPDDR5_IN_B.WCK0_P: length 2.5
  Bottom w0.1: v3(60.71,3.82) 60.71,3.81 60.71,3.32 60.78,3.25 60.78,2.86 60.68,2.76 J1.232
/SODIMM/LPDDR5_IN_B.WCK1_N: length 2.1
  Bottom w0.102: 49.82,3.35 49.78,3.35 49.57,3.15 49.57,2.85 49.68,2.75 J1.188
/SODIMM/LPDDR5_IN_B.WCK1_P: length 2.1
  Bottom w0.102: J1.190 50.18,2.75 50.28,2.85 50.28,3.15 50.07,3.35 50.03,3.35
Net-(C13-Pad2): length 1.2
  Top w0.152: U9.9 66.44,32.3 66.69,32.55 67.12,32.55
Net-(D2-Pad1): length 1.6
  Top w0.152: R42.2 68.39,38.06 68.3,38.15 68.3,38.45 68.25,38.5 D2.1
Net-(D2-Pad2): length 1.5
  Top w0.152: Q2.3 67.85,35.9 67.7,36.05 67.7,36.05 D2.2
Net-(J1-Pad130): length 5.4
  Bottom w0.15: R99.1 R28.2 35.18,5.42 J1.130
Net-(POT1-Pad2): length 9.6
  Top w0.2: 65.19,35.85 65.19,36.28 66.25,37.35 66.25,35.9 66.8,35.35 67.8,35.35 68.2,34.95 68.2,34.35 68,34.14 67.9,34.14 67.8,34.05 67.4,34.05 67.14,33.79 67.14,33.55 66.2,33.55 66,33.35 U9.10
Net-(POT1-Pad3): length 3.1
  Top w0.2: 62.9,36.35 63.6,36.35 64.2,35.75 64.22,35.75 ; 61.6,36.65 62.72,36.65 63,36.37
Net-(R29-Pad2): length 3.7
  Top w0.09: R29.2 63.09,35.15 64.09,35.15 R31.1
  Top w0.1: R31.1 64.85,34.39 U9.12
Net-(R32-Pad2): length 2.2
  Top w0.152: TP1.1 68.09,31.53 66.58,31.53 66.31,31.8 U9.8
Net-(R69-Pad2): length 2.9
  Top w0.2: R69.2 31.13,26.89 31.44,26.59 32.02,26.59 32.7,25.91 U1.H15

## Copper pours and planes (outline as drawn; the poured copper is in the pictures)
+0V5 on Top: 60.03,33.3 60.03,30.1 57.53,30.1 57.53,33.3
+0V5 on Bottom: 60.03,28 32.5,28 32.5,30.2 36.38,33.4 60.03,33.4
+0V5 on Bottom: 28.5,26.4 28.5,24.92 29.1,24.2 29.1,23.6 30.9,23.6 30.9,23 30.5,22.6 30.5,22.2 32.5,22.2 32.5,26.4
+0V5 on Bottom: 37.1,13.6 32.5,13.6 32.5,28 37.1,28
+0V5 on Bottom: 41.3,26.4 41.3,24.92 40.25,23.56 38.7,23.6 38.7,23 39.3,22.6 39.3,22.2 37.1,22.2 37.1,26.4
+0V5 on Bottom: 28.3,13.6 28.3,15.08 29.35,16.44 30.9,16.4 30.9,17 30.3,17.4 30.3,17.8 32.5,17.8 32.5,13.6
+0V5 on Bottom: 41.1,13.6 41.1,15.08 40.5,15.8 40.5,16.4 38.7,16.4 38.7,17 39.1,17.4 39.1,17.8 37.1,17.8 37.1,13.6
+0V9 on In3.Cu: 13.43,33.2 16.62,30 37.22,30 37.22,28 14.83,28 10.83,32 10.83,39.6 13.43,39.6
+0V9 on In3.Cu: 37.25,24.45 36.5,24.45 36.5,14.8 33.1,14.8 33.1,24.45 32.35,24.45 32.35,28.05 37.25,28.05
+1V1 on Top: 62.7,31.15 62.7,32.95 62.5,33.15 62.5,34.3 63.6,34.3 63.6,30.05 63.5,30.05 63.5,27.95 62.5,27.95 62.5,30.95
+1V05 on Top: 38.7,21.9 38.7,21.1 42.1,21.1 42.1,18.9 38.7,18.9 38.7,18.1 38,18.1 38,21.9
+1V05 on Top: 33.8,17.9 33.8,18.7 34.5,18.7 34.5,21.3 33.8,21.3 33.8,22.1 33.1,22.1 33.1,22.7 33.8,22.7 33.8,27.9 35.8,27.9 35.8,22.7 36.5,22.7 36.5,22.1 35.8,22.1 35.8,21.2 35.1,21.2 35.1,18.8 35.8,18.8 35.8,17.9 36.5,17.9 36.5,17.3 35.8,17.3 35.8,12.1 33.8,12.1 33.8,17.3 33.1,17.3 33.1,17.9
+1V05 on Top: 30.9,18.1 30.9,18.9 27.5,18.9 27.5,21.1 30.9,21.1 30.9,21.9 31.6,21.9 31.6,18.1
+1V05 on Top: 38,22.7 38,21.9 38.7,21.9 38.7,18.1 37.9,18.1 37.9,17.3 35,17.3 35,22.7
+1V05 on Top: 35.83,29.35 35.83,27.9 33.78,27.9 33.62,28.05 14.58,28 14.58,30.15 35.03,30.15
+1V05 on Top: 31.6,17.3 31.6,18.1 30.9,18.1 30.9,21.9 31.7,21.9 31.7,22.7 34.6,22.7 34.6,17.3
+5V on Top: 6.71,29.67 7.91,29.67 7.91,27.5 9.01,27.5 9.01,24.05 6.71,24.05
+5V on Top: 2.18,0.2 1,0.2 1,4.5 2.18,4.5
+5V on In3.Cu: 10.25,22.05 5,22.05 5,2.72 1,2.72 1,4.55 2.5,6.05 2.5,26.05 10.25,26.05
GND on Top: 7.75,37.58 12.15,37.58 12.15,31.67 12.75,31.67 12.75,30.38 10.95,30.38 10.95,27.97 6.45,27.97 6.45,23.78 3.45,23.78 3.45,26.78 2.95,26.78 2.95,30.38 0.65,30.38 0.65,32.17 1.25,32.17 1.25,37.58 5.65,37.58 5.65,39.7 7.75,39.7
GND on Top, Bottom: 69.4,39.55 69.4,27.85 60.5,27.85 60.5,39.55
GND on In1.Cu, In2.Cu, In4.Cu: 69.6,0.05 0,0.05 0,40.05 69.6,40.05
/Power supply/VOUT on Top: 64.6,33.95 64.6,30.05 64.5,30.05 64.5,27.95 63.5,27.95 63.5,30.05 63.6,30.05 63.6,33.95
/Power supply/VOUT on Top: 61.5,33.15 61.5,33.95 62.5,33.95 62.5,33.15 62.7,32.95 62.7,31.15 62.5,30.95 62.5,29.95 60.5,29.95 60.5,33.15
/Power supply/VOUT on Bottom: 65.8,32.75 65.8,28.55 61.5,28.55 61.5,32.75
/Power supply/VOUT1 on Top: 4.08,36.58 3.08,36.58 3.08,39.7 5.38,39.7 5.38,34.67 4.08,34.67
/Power supply/VOUT2 on Top: 9.28,36.58 10.28,36.58 10.28,39.7 7.98,39.7 7.98,34.67 9.28,34.67
/Power supply/VOUT3 on Top: 10.51,30.17 14.01,30.17 14.01,27.97 9.21,27.97 9.21,30.78 10.51,30.78
/Power supply/VOUT4 on Top: 2.84,30.17 0.66,30.17 0.66,27.97 4.14,27.97 4.14,30.78 2.84,30.78

## Text on the board
Top: LPDDR5 SODIMM / Rev. ${REVISION}  12/2023
F.Mask: LPDDR5 SODIMM / Rev. ${REVISION}  12/2023
